# Altium PCB DAC5682.PcbDoc (part 2 of 3)
Units mil, origin at the board's own origin, x right, y up, seen from the top; angles counter-clockwise.
Board outline 2673.5 x 3399 mil, 4 copper layers (Top Layer, Layer 1, Layer 2, Bottom Layer), stack 23.756 mil thick; 202 components, 137 nets, 676 pads, 436 vias.
Unrouted connection lines stored in the file: 2.
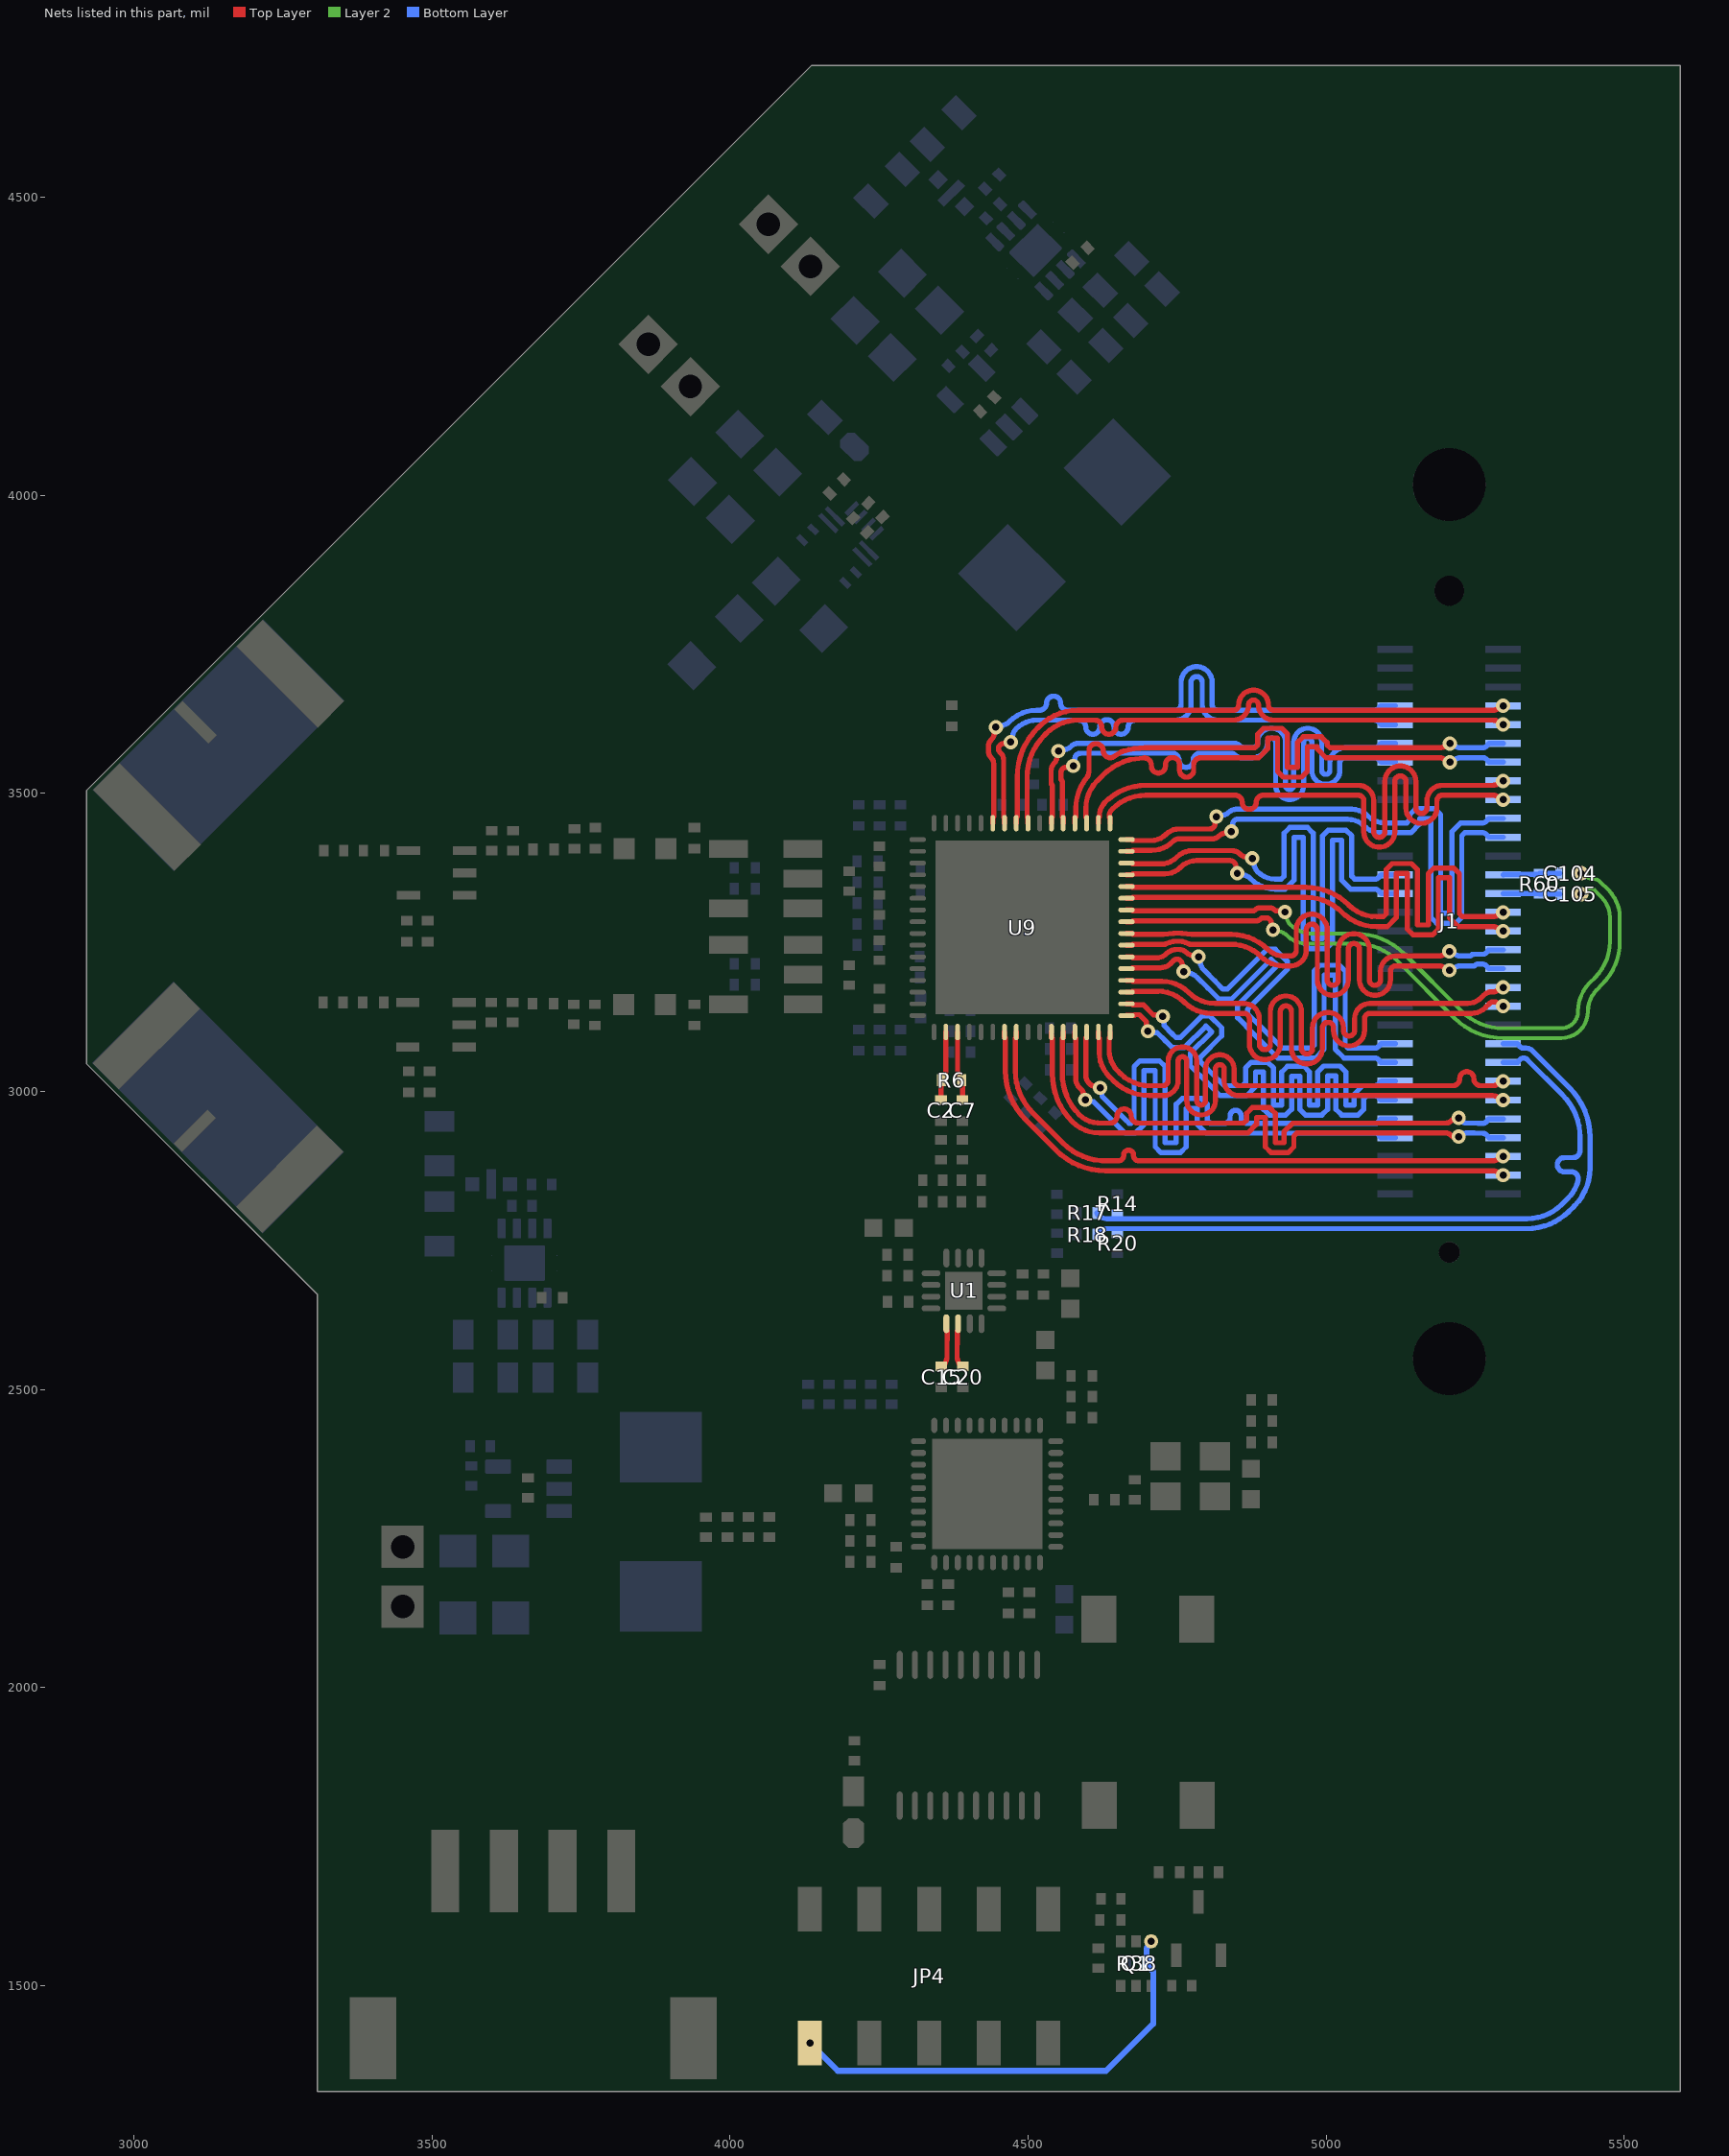
[diagram p4: the nets of this part, all layers, seen from the top]

## Via types
v1: diameter 24, hole 12, Top Layer to Bottom Layer, tented both sides, 436 vias

## Nets (pads, with @x,y where several pads share a name; then routed paths per layer and width w, separated by ;. In a path a pad name is that pad's centre, name@x,y a point inside that pad or via, vN(x,y) a via of type N, cw(c..) or ccw(c..) an arc to the next point about the centre after c; other vN are vias at no path point) (continued)
D0_N: J1.27 U9.43 | length 990.3
  Top Layer w8.65: U9.43@4440.86,3449.82 4440.86,3457.81 cw(c4443.45,3457.81) 4441.62,3459.64 ccw(c4439.79,3461.48) 4442.38,3461.48 4442.38,3549.33 ccw(c4427.49,3549.33) 4438.02,3559.86 cw(c4448.55,3570.39) 4433.66,3570.39 4433.66,3578.15 cw(c4450.63,3578.15) 4438.63,3590.16 4438.92,3590.45 ccw(c4427.63,3601.74) 4443.6,3601.74 4443.6,3604.97 cw(c4451.78,3604.97) v1(4446,3610.75)
  Bottom Layer w8.65: v1(4446,3610.75) cw(c4451.78,3604.97) 4451.78,3613.15 ccw(c4451.78,3636.9) 4468.58,3620.1 cw(c4514.91,3573.77) 4514.91,3639.3 4519.24,3639.3 ccw(c4519.24,3651.12) 4531.06,3651.12 cw(c4542.89,3651.12) 4554.71,3651.12 ccw(c4566.54,3651.12) 4566.54,3639.3 4710.92,3639.3 4747.5,3639.3 ccw(c4747.5,3648.62) 4756.83,3648.62 4756.83,3686.43 cw(c4782.8,3686.43) 4808.78,3686.43 4808.78,3648.62 ccw(c4818.1,3648.62) 4818.1,3639.3 4866.06,3639.3 5081.57,3639.3 ccw(c5081.57,3647.95) J1.27@5087.68,3641.82 ; J1.27@5087.69,3641.83 5090.22,3644.36 cw(c5091.86,3644.36) 5090.7,3645.53 cw(c5093.58,3642.64) 5093.58,3646.72 J1.27@5115.89,3646.72
D0_P: J1.26 U9.42 | length 992.4
  Top Layer w8.65: 4454.67,3566.76 4452.84,3568.59 cw(c4458.96,3574.7) 4450.31,3574.7 cw(c4458.96,3574.7) 4452.84,3580.82 cw(c4458.96,3574.7) 4458.96,3583.35 4465.21,3583.35 ccw(c4465.21,3591.54) v1(4471,3585.75) ; 4454.68,3566.75 cw(c4444.14,3556.23) 4459.03,3556.23 4459.03,3461.48 ccw(c4461.62,3461.48) 4459.79,3459.64 cw(c4457.96,3457.81) 4460.55,3457.81 U9.42@4460.55,3449.82
  Bottom Layer w8.65: v1(4471,3585.75) ccw(c4465.21,3591.54) 4473.39,3591.54 cw(c4497.14,3591.54) 4480.35,3608.33 cw(c4514.91,3573.77) 4514.91,3622.65 4585.05,3622.65 cw(c4585.05,3610.82) 4596.87,3610.82 ccw(c4608.7,3610.82) 4620.52,3610.82 4620.52,3611.32 cw(c4632.35,3611.32) 4644.17,3611.32 4644.17,3610.82 ccw(c4656,3610.82) 4667.82,3610.82 cw(c4679.65,3610.82) 4679.65,3622.65 4710.92,3622.65 4747.5,3622.65 ccw(c4747.5,3648.62) 4773.48,3648.62 4773.48,3686.43 cw(c4782.8,3686.43) 4792.13,3686.43 4792.13,3648.62 ccw(c4818.1,3648.62) 4818.1,3622.65 4866.06,3622.65 5081.57,3622.65 cw(c5081.57,3614) 5087.68,3620.12 5090.22,3617.58 ccw(c5091.86,3617.58) 5090.7,3616.42 ccw(c5093.58,3619.3) 5093.58,3615.22 J1.26@5115.89,3615.22
D1_N: J1.57 U9.41 | length 999
  Top Layer w8.65: U9.41@4480.23,3449.82 4480.23,3457.81 cw(c4482.82,3457.81) 4480.99,3459.64 ccw(c4479.16,3461.48) 4481.75,3461.48 4481.75,3526.73 cw(c4598.4,3526.73) 4515.91,3609.22 4519.22,3612.52 cw(c4583.86,3547.89) 4583.86,3639.3 4832,3639.3 4844.65,3639.3 ccw(c4844.65,3647.95) 4853.3,3647.95 cw(c4878.27,3647.95) 4903.25,3647.95 ccw(c4911.9,3647.95) 4911.9,3639.3 4962.55,3639.3 5280.17,3639.3 ccw(c5280.17,3651.97) 5289.13,3643.01 5289.91,3643.78 cw(c5297,3636.69) v1(5297,3646.72)
D1_P: J1.56 U9.40 | length 999.9
  Top Layer w8.65: U9.40@4499.92,3449.82 4499.92,3457.81 ccw(c4497.33,3457.81) 4499.16,3459.64 cw(c4500.99,3461.48) 4498.4,3461.48 4498.4,3526.73 cw(c4598.4,3526.73) 4527.69,3597.44 4531,3600.75 cw(c4583.86,3547.89) 4583.86,3622.65 4611.83,3622.65 cw(c4611.83,3610.82) 4623.66,3610.82 ccw(c4635.48,3610.82) 4647.31,3610.82 cw(c4659.13,3610.82) 4659.13,3622.65 4696,3622.65 4832,3622.65 4844.65,3622.65 ccw(c4844.65,3647.95) 4869.95,3647.95 cw(c4878.27,3647.95) 4886.6,3647.95 ccw(c4911.9,3647.95) 4911.9,3622.65 4962.55,3622.65 5280.17,3622.65 cw(c5280.17,3609.97) 5289.13,3618.94 5289.91,3618.16 ccw(c5297,3625.25) v1(5297,3615.22)
D2_N: J1.25 U9.38 | length 992
  Top Layer w8.65: U9.38@4539.29,3449.82 4539.29,3457.81 cw(c4541.88,3457.81) 4540.05,3459.64 ccw(c4538.21,3461.48) 4540.8,3461.48 4540.8,3512.13 ccw(c4537.14,3512.13) 4539.73,3514.72 cw(c4542.32,3517.31) 4538.66,3517.31 4538.66,3538.15 cw(c4555.63,3538.15) 4543.63,3550.16 4543.92,3550.45 ccw(c4532.63,3561.74) 4548.6,3561.74 4548.6,3564.97 cw(c4556.78,3564.97) v1(4551,3570.75)
  Bottom Layer w8.65: v1(4551,3570.75) cw(c4556.78,3564.97) 4556.78,3573.15 4559.14,3573.15 ccw(c4559.14,3591.21) 4571.91,3578.44 cw(c4584.68,3565.67) 4584.68,3583.73 4845.91,3583.73 cw(c4845.91,3571.06) 4854.87,3580.02 ccw(c4863.83,3588.97) 4863.83,3576.3 4876.48,3576.3 ccw(c4876.48,3584.95) 4885.13,3584.95 4885.13,3585.52 cw(c4908.61,3585.52) 4932.08,3585.52 4932.08,3513.13 ccw(c4938.91,3513.13) 4945.73,3513.13 4945.73,3585.52 cw(c4969.21,3585.52) 4992.68,3585.52 4992.68,3538.45 ccw(c4999.51,3538.45) 5006.33,3538.45 5006.33,3551 cw(c5031.63,3551) 5031.63,3576.3 5071.98,3576.3 5081.57,3576.3 ccw(c5081.57,3584.95) 5087.68,3578.83 5090.22,3581.37 cw(c5091.86,3581.37) 5090.7,3582.53 cw(c5093.58,3579.65) 5093.58,3583.73 J1.25@5115.89,3583.73
D2_P: J1.24 U9.37 | length 980.1
  Top Layer w8.65: U9.37@4558.97,3449.82 4558.97,3457.81 ccw(c4556.38,3457.81) 4558.21,3459.64 cw(c4560.04,3461.48) 4557.45,3461.48 4557.45,3519.02 ccw(c4553.79,3519.02) 4556.38,3521.62 cw(c4558.97,3524.21) 4555.31,3524.21 4555.31,3534.7 cw(c4563.96,3534.7) 4557.84,3540.82 cw(c4563.96,3534.7) 4563.96,3543.35
  Bottom Layer w8.65: v1(4576,3545.75) ccw(c4570.21,3551.54) 4578.39,3551.54 4578.39,3557.34 cw(c4588.13,3557.34) 4581.24,3564.23 cw(c4588.13,3557.34) 4588.13,3567.08 4713.57,3567.08 4741.55,3567.08 cw(c4741.55,3555.25) 4753.37,3555.25 ccw(c4765.2,3555.25) 4777.02,3555.25 cw(c4788.85,3555.25) 4788.85,3567.08 4816,3567.08 4839.02,3567.08 cw(c4839.02,3554.41) 4847.97,3563.37 ccw(c4856.93,3572.32) 4856.93,3559.65 4863.83,3559.65 4876.48,3559.65 ccw(c4876.48,3584.95) 4901.78,3584.95 4901.78,3585.52 cw(c4908.61,3585.52) 4915.43,3585.52 4915.43,3513.13 ccw(c4938.91,3513.13) 4962.38,3513.13 4962.38,3585.52 cw(c4969.21,3585.52) 4976.03,3585.52 4976.03,3538.45 ccw(c4999.51,3538.45) 5022.98,3538.45 5022.98,3551 cw(c5031.63,3551) 5031.63,3559.65 5071.98,3559.65 5081.57,3559.65 cw(c5081.57,3551) J1.24@5087.68,3557.13 ; J1.24@5087.69,3557.12 5090.22,3554.59 ccw(c5091.86,3554.59) J1.24@5090.7,3553.42 ; J1.24@5090.7,3553.43 ccw(c5093.58,3556.31) 5093.58,3552.23 J1.24@5115.89,3552.23
D3_N: J1.55 U9.36 | length 991.8
  Top Layer w8.65: U9.36@4578.66,3449.82 4578.66,3457.81 cw(c4581.25,3457.81) 4579.42,3459.64 ccw(c4577.58,3461.48) 4580.17,3461.48 4580.17,3474.46 cw(c4662.28,3474.46) 4592.11,3517.1 cw(c4662.28,3474.46) 4596.43,3523.51 4597.44,3524.68 ccw(c4582.16,3537.87) 4602.35,3537.87 4602.35,3571.42 cw(c4614.17,3571.42) 4626,3571.42 ccw(c4637.82,3571.42) 4644.19,3561.45 4655.99,3568.99 cw(c4696.13,3459.46) 4660.31,3570.48 cw(c4696.13,3459.46) 4696.13,3576.11 4871,3576.11 4880.2,3576.11 4885.27,3581.18 4885.27,3599.24 4895.02,3609 4925.46,3609 4935.22,3599.24 4935.22,3543.61 4951.87,3543.61 4951.87,3585.06 4961.62,3594.81 4992.06,3594.81 5001.82,3585.06 5001.82,3581.18 5006.88,3576.11 5086,3576.11 5190.85,3576.11 ccw(c5190.85,3588.79) 5199.81,3579.83 5200.59,3580.6 cw(c5207.68,3573.51) v1(5207.68,3583.54)
  Bottom Layer w8.65: v1(5207.68,3583.54) cw(c5207.68,3573.51) 5214.77,3580.6 ccw(c5225.6,3591.43) 5225.6,3576.11 5252,3576.11 5252.19,3576.3 5262.67,3576.3 ccw(c5262.67,3584.95) 5268.78,3578.83 5271.32,3581.37 cw(c5272.97,3581.37) 5271.8,3582.53 cw(c5274.68,3579.65) 5274.68,3583.73 J1.55@5297,3583.73
D3_P: J1.54 U9.35 | length 991.9
  Top Layer w8.65: U9.35@4598.34,3449.82 4598.34,3457.81 ccw(c4595.75,3457.81) 4597.58,3459.64 cw(c4599.41,3461.48) 4596.82,3461.48 4596.82,3474.46 cw(c4662.28,3474.46) 4616,3520.75 4625.42,3530.17 cw(c4696.13,3459.46) 4668.5,3555.57 cw(c4696.13,3459.46) 4672.83,3556.71 4693.66,3559.17 cw(c4695.05,3547.43) 4706.87,3547.43 4706.87,3545.72 ccw(c4718.7,3545.72) 4730.52,3545.72 4730.52,3548.14 cw(c4742.35,3548.14) 4754.17,3548.14 4754.17,3538.79 ccw(c4766,3538.79) 4777.82,3538.79 4777.82,3547.64 cw(c4789.65,3547.64) 4789.65,3559.46 4793.97,3559.46 4871,3559.46 4887.1,3559.46 4901.92,3574.28 4901.92,3592.35 4918.57,3592.35 4918.57,3536.72 4928.32,3526.96 4958.76,3526.96 4968.52,3536.72 4968.52,3578.16 4985.17,3578.16 4985.17,3574.28 4999.99,3559.46 5086,3559.46 5190.85,3559.46 cw(c5190.85,3546.79) 5199.81,3555.75 5200.59,3554.98 ccw(c5207.68,3562.07) v1(5207.68,3552.04)
  Bottom Layer w8.65: v1(5207.68,3552.04) ccw(c5207.68,3562.07) 5214.77,3554.98 cw(c5225.6,3544.15) 5225.6,3559.46 5258.9,3559.46 5259.09,3559.65 5262.67,3559.65 cw(c5262.67,3551) J1.54@5268.78,3557.13 ; J1.54@5268.79,3557.12 5271.32,3554.59 ccw(c5272.97,3554.59) J1.54@5271.8,3553.42 ; J1.54@5271.8,3553.43 ccw(c5274.68,3556.31) 5274.68,3552.23 J1.54@5297,3552.23
D4_N: J1.53 U9.34 | length 988.8
  Top Layer w8.65: U9.34@4618.03,3449.82 4618.03,3457.81 cw(c4620.62,3457.81) 4618.79,3459.64 ccw(c4616.95,3461.48) 4619.54,3461.48 cw(c4652.78,3461.48) 4629.28,3484.98 cw(c4697.69,3416.56) 4697.69,3513.31 5006,3513.31 5053.95,3513.31 cw(c5053.95,3487.34) 5079.92,3487.34 5079.92,3435.4 ccw(c5089.25,3435.4) 5098.57,3435.4 5098.57,3519.84 cw(c5124.55,3519.84) 5150.52,3519.84 5150.52,3475.47 ccw(c5159.85,3475.47) 5169.17,3475.47 5169.17,3487.34 cw(c5195.15,3487.34) 5195.15,3513.31 5241,3513.31 5280.17,3513.31 ccw(c5280.17,3525.98) 5289.13,3517.02 5289.91,3517.8 cw(c5297,3510.71) v1(5297,3520.74)
D4_P: J1.52 U9.33 | length 989.6
  Top Layer w8.65: U9.33@4637.71,3449.82 4637.71,3457.81 ccw(c4635.12,3457.81) 4636.95,3459.64 cw(c4638.78,3461.48) 4636.19,3461.48 cw(c4652.78,3461.48) 4641.05,3473.2 cw(c4697.69,3416.56) 4697.69,3496.66 4819.37,3496.66 4847.35,3496.66 cw(c4847.35,3484.84) 4859.17,3484.84 ccw(c4871,3484.84) 4882.82,3484.84 cw(c4894.65,3484.84) 4894.65,3496.66 4932.68,3496.66 5006,3496.66 5053.95,3496.66 cw(c5053.95,3487.34) 5063.27,3487.34 5063.27,3435.4 ccw(c5089.25,3435.4) 5115.22,3435.4 5115.22,3519.84 cw(c5124.55,3519.84) 5133.87,3519.84 5133.87,3475.47 ccw(c5159.85,3475.47) 5185.82,3475.47 5185.82,3487.34 cw(c5195.15,3487.34) 5195.15,3496.66 5241,3496.66 5280.17,3496.66 cw(c5280.17,3483.99) 5289.13,3492.95 5289.91,3492.18 ccw(c5297,3499.27) v1(5297,3489.24)
D5_N: J1.51 U9.32 | length 992.3
  Top Layer w8.65: U9.32@4665.27,3422.26 4673.26,3422.26 cw(c4673.26,3419.67) 4675.1,3421.5 ccw(c4676.93,3423.33) 4676.93,3420.74 4706.83,3420.74 ccw(c4706.83,3454.91) 4731,3430.75 cw(c4753.47,3408.28) 4753.47,3440.06 4804.95,3440.06 ccw(c4804.95,3448.71) 4811.07,3442.59 ccw(c4804.95,3448.71) 4813.6,3448.71 4813.6,3454.97 cw(c4821.78,3454.97) v1(4816,3460.75)
  Bottom Layer w8.65: v1(4816,3460.75) cw(c4821.78,3454.97) 4821.78,3463.15 4824.59,3463.15 ccw(c4824.59,3480.12) 4836.59,3468.12 cw(c4848.6,3456.12) 4848.6,3473.09 5042.98,3473.09 cw(c5042.98,3434.22) 5070.46,3461.71 ccw(c5097.95,3489.19) 5097.95,3450.32 5126,3450.32 5135.2,3450.32 5140.27,3455.39 5140.27,3464.16 5150.02,3473.91 5182.46,3473.91 5192.22,3464.16 5192.22,3298.59 5210.87,3298.59 5210.87,3435.5 5225.69,3450.32 5262.67,3450.32 ccw(c5262.67,3458.97) 5268.78,3452.85 5271.32,3455.39 cw(c5272.97,3455.39) 5271.8,3456.55 cw(c5274.68,3453.67) 5274.68,3457.74 J1.51@5297,3457.74
D5_P: J1.50 U9.31 | length 992.4
  Top Layer w8.65: U9.31@4665.27,3402.57 4673.26,3402.57 ccw(c4673.26,3405.17) 4675.1,3403.33 cw(c4676.93,3401.5) 4676.93,3404.09 4706.83,3404.09 ccw(c4706.83,3454.91) 4742.77,3418.98 cw(c4753.47,3408.28) 4753.47,3423.41 4808.4,3423.41 ccw(c4808.4,3440.39) 4820.4,3428.38 4820.7,3428.68 cw(c4831.99,3417.39) 4831.99,3433.35 4835.21,3433.35 ccw(c4835.21,3441.54) v1(4841,3435.75)
  Bottom Layer w8.65: v1(4841,3435.75) ccw(c4835.21,3441.54) 4843.39,3441.54 4843.39,3447.79 cw(c4852.04,3447.79) 4845.93,3453.91 cw(c4852.04,3447.79) 4852.04,3456.44 5036.08,3456.44 cw(c5036.08,3417.57) 5063.57,3445.06 ccw(c5091.05,3472.54) 5091.05,3433.67 5126,3433.67 5142.1,3433.67 5156.92,3448.49 5156.92,3457.26 5175.57,3457.26 5175.57,3291.69 5185.32,3281.94 5217.76,3281.94 5227.52,3291.69 5227.52,3428.6 5232.58,3433.67 5262.67,3433.67 cw(c5262.67,3425.02) 5268.78,3431.14 5271.32,3428.6 ccw(c5272.97,3428.6) 5271.8,3427.44 ccw(c5274.68,3430.32) 5274.68,3426.25 J1.50@5297,3426.25
D6_N: J1.18 U9.30 | length 991.8
  Top Layer w8.65: U9.30@4665.27,3382.89 4673.26,3382.89 cw(c4673.26,3380.3) 4675.1,3382.13 ccw(c4676.93,3383.96) 4676.93,3381.37 4722.22,3381.37 ccw(c4722.22,3419.53) 4749.21,3392.55 cw(c4776.19,3365.57) 4776.19,3403.73 4842.31,3403.73 cw(c4842.31,3385.67) 4855.08,3398.44 4855.7,3397.82 ccw(c4866.99,3409.11) 4866.99,3393.15 4870.21,3393.15 cw(c4870.21,3384.97) v1(4876,3390.75)
  Bottom Layer w8.65: v1(4876,3390.75) cw(c4870.21,3384.97) 4878.39,3384.97 ccw(c4902.14,3384.97) 4885.35,3368.17 ccw(c4915.14,3397.96) 4915.14,3355.83 4924.34,3355.83 4929.41,3360.9 4929.41,3433.04 4939.16,3442.79 4968.61,3442.79 4978.36,3433.04 4978.36,3256.07 4994.01,3256.07 4994.01,3428.43 5003.76,3438.18 5033.21,3438.18 5042.96,3428.43 5042.96,3360.9 5048.03,3355.83 5079.66,3355.83 5081.57,3355.83 ccw(c5081.57,3364.48) 5087.68,3358.36 5090.22,3360.9 cw(c5091.86,3360.9) 5090.7,3362.06 cw(c5093.58,3359.18) 5093.58,3363.26 J1.18@5115.89,3363.26
D6_P: J1.17 U9.29 | length 991.7
  Top Layer w8.65: U9.29@4665.27,3363.2 4673.26,3363.2 ccw(c4673.26,3365.8) 4675.1,3363.96 cw(c4676.93,3362.13) 4676.93,3364.72 4729.12,3364.72 ccw(c4729.12,3402.88) 4756.1,3375.9 cw(c4783.09,3348.92) 4783.09,3387.08 4838.87,3387.08 cw(c4838.87,3377.34) 4845.75,3384.23 cw(c4838.87,3377.34) 4848.6,3377.34 4848.6,3371.54 ccw(c4856.78,3371.54) v1(4851,3365.75)
  Bottom Layer w8.65: v1(4851,3365.75) ccw(c4856.78,3371.54) 4856.78,3363.35 cw(c4856.78,3339.61) 4873.58,3356.4 ccw(c4915.14,3397.96) 4915.14,3339.18 4931.24,3339.18 4946.06,3354 4946.06,3426.14 4961.71,3426.14 4961.71,3249.18 4971.46,3239.42 5000.91,3239.42 5010.66,3249.18 5010.66,3421.53 5026.31,3421.53 5026.31,3354 5041.13,3339.18 5079.66,3339.18 5081.57,3339.18 cw(c5081.57,3330.53) 5087.68,3336.65 5090.22,3334.11 ccw(c5091.86,3334.11) 5090.7,3332.95 ccw(c5093.58,3335.83) 5093.58,3331.76 J1.17@5115.89,3331.76
D7_N: J1.46 U9.28 | length 988.2
  Top Layer w8.65: U9.28@4665.27,3343.52 4673.26,3343.52 cw(c4673.26,3340.93) 4675.1,3342.76 ccw(c4676.93,3344.59) 4676.93,3342 4966.6,3342 cw(c4966.6,3241.36) 5037.77,3312.52 ccw(c5085.29,3360.05) 5085.29,3292.84 5086.73,3292.84 5095.94,3292.84 5101,3297.91 5101,3372.21 5110.76,3381.97 5143.2,3381.97 5152.95,3372.21 5152.95,3278.96 5171.6,3278.96 5171.6,3364.91 5181.36,3374.66 5213.8,3374.66 5223.55,3364.91 5223.55,3297.91 5228.62,3292.84 5275.9,3292.84 5280.17,3292.84 ccw(c5280.17,3305.51) v1@5289.12,3296.54 ; v1@5289.13,3296.55 5289.91,3297.33 cw(c5297,3290.24) v1(5297,3300.26)
D7_P: J1.45 U9.27 | length 988.2
  Top Layer w8.65: U9.27@4665.27,3323.83 4673.26,3323.83 ccw(c4673.26,3326.43) 4675.1,3324.59 cw(c4676.93,3322.76) 4676.93,3325.35 4966.6,3325.35 cw(c4966.6,3241.36) 5026,3300.75 ccw(c5085.29,3360.05) 5085.29,3276.19 5086.73,3276.19 5102.83,3276.19 5117.65,3291.01 5117.65,3365.32 5136.3,3365.32 5136.3,3272.06 5146.06,3262.31 5178.5,3262.31 5188.25,3272.06 5188.25,3358.01 5206.9,3358.01 5206.9,3291.01 5221.72,3276.19 5275.9,3276.19 5280.17,3276.19 cw(c5280.17,3263.52) 5289.13,3272.48 5289.91,3271.7 ccw(c5297,3278.79) v1(5297,3268.77)
D8_N: J1.44 U9.24 | length 986.2
  Top Layer w8.65: U9.24@4665.27,3264.78 4673.26,3264.78 cw(c4673.26,3262.19) 4675.1,3264.02 ccw(c4676.93,3265.85) 4676.93,3263.26 4725.87,3263.26 ccw(c4725.87,3271.91) 4726.76,3263.31 4744.19,3265.12 cw(c4749.51,3213.85) 4749.51,3265.39 4753.4,3265.39 cw(c4753.4,3221.12) 4758.26,3265.12 4774.64,3263.31 ccw(c4775.57,3271.91) 4775.57,3263.26 4840.63,3263.26 cw(c4840.63,3175.39) 4902.77,3237.52 ccw(c4928.06,3262.81) 4928.06,3227.05 4940.71,3227.05 ccw(c4940.71,3236.38) 4950.03,3236.38 4950.03,3271.08 cw(c4976.01,3271.08) 5001.98,3271.08 5001.98,3187.03 ccw(c5011.31,3187.03) 5020.63,3187.03 5020.63,3238.51 cw(c5046.61,3238.51) 5072.58,3238.51 5072.58,3187.03 ccw(c5081.91,3187.03) 5091.23,3187.03 5091.23,3201.08 cw(c5117.21,3201.08) 5117.21,3227.05 5190.09,3227.05 ccw(c5190.09,3239.72) 5199.05,3230.76 5199.82,3231.54 cw(c5206.91,3224.45) v1(5206.91,3234.47)
  Bottom Layer w8.65: v1(5206.91,3234.47) cw(c5206.91,3224.45) 5214.01,3231.54 ccw(c5224.84,3242.37) 5224.84,3227.05 5240.25,3227.05 ccw(c5240.25,3231.83) 5243.63,3228.45 cw(c5247.01,3225.07) 5247.01,3229.85 5262.67,3229.85 ccw(c5262.67,3238.5) 5268.78,3232.38 5271.32,3234.91 cw(c5272.97,3234.91) 5271.8,3236.08 cw(c5274.68,3233.2) 5274.68,3237.27 J1.44@5297,3237.27
D8_P: J1.43 U9.23 | length 987.7
  Top Layer w8.65: U9.23@4665.27,3245.09 4673.26,3245.09 ccw(c4673.26,3247.68) 4675.1,3245.85 cw(c4676.93,3244.02) 4676.93,3246.61 4728.27,3246.61 ccw(c4728.27,3255.26) 4732.21,3247.56 cw(c4749.51,3213.85) 4749.51,3251.74 4753.4,3251.74 cw(c4753.4,3221.12) 4768.55,3247.73 ccw(c4772.8,3255.26) 4772.8,3246.61 4840.63,3246.61 cw(c4840.63,3175.39) 4891,3225.75 ccw(c4928.06,3262.81) 4928.06,3210.4 4940.71,3210.4 ccw(c4940.71,3236.38) 4966.68,3236.38 4966.68,3271.08 cw(c4976.01,3271.08) 4985.33,3271.08 4985.33,3187.03 ccw(c5011.31,3187.03) 5037.28,3187.03 5037.28,3238.51 cw(c5046.61,3238.51) 5055.93,3238.51 5055.93,3187.03 ccw(c5081.91,3187.03) 5107.88,3187.03 5107.88,3201.08 cw(c5117.21,3201.08) 5117.21,3210.4 5190.09,3210.4 cw(c5190.09,3197.73) 5199.05,3206.69 5199.82,3205.91 ccw(c5206.91,3213.01) v1(5206.91,3202.98)
  Bottom Layer w8.65: v1(5206.91,3202.98) ccw(c5206.91,3213.01) 5214.01,3205.91 cw(c5224.84,3195.08) 5224.84,3210.4 5247.15,3210.4 ccw(c5247.15,3215.18) 5250.53,3211.8 cw(c5253.9,3208.42) 5253.9,3213.2 5262.67,3213.2 cw(c5262.67,3204.55) 5268.78,3210.67 5271.32,3208.13 ccw(c5272.97,3208.13) 5271.8,3206.97 ccw(c5274.68,3209.85) 5274.68,3205.77 J1.43@5297,3205.77
D9_N: J1.9 U9.22 | length 993
  Top Layer w8.65: U9.22@4665.27,3225.41 4673.26,3225.41 cw(c4673.26,3222.82) 4675.1,3224.65 ccw(c4676.93,3226.48) 4676.93,3223.89 4715.23,3223.89 ccw(c4715.23,3248.13) 4732.37,3230.99 cw(c4749.51,3213.85) 4749.51,3238.09 4753.4,3238.09 cw(c4753.4,3221.12) 4765.4,3233.12 4765.7,3232.82 ccw(c4776.99,3244.11) 4776.99,3228.15 4780.21,3228.15 cw(c4780.21,3219.97) v1(4786,3225.75)
  Bottom Layer w8.65: v1(4786,3225.75) cw(c4780.21,3219.97) 4788.39,3219.97 ccw(c4812.14,3219.97) 4795.35,3203.17 4813.27,3185.25 4827.15,3171.37 4834.32,3171.37 4901.11,3238.16 4914.9,3238.16 4935.01,3218.04 4935.01,3204.25 4868.22,3137.46 4868.22,3130.3 4890.36,3108.16 4891.99,3106.53 4896.86,3101.66 4920.65,3077.87 4926.15,3072.37 4974.98,3072.37 4980.05,3077.43 4980.05,3201.76 4989.8,3211.51 5022.25,3211.51 5032,3201.76 5032,3077.43 5037.07,3072.37 5081.57,3072.37 ccw(c5081.57,3081.02) 5087.68,3074.9 5090.22,3077.43 cw(c5091.86,3077.43) 5090.7,3078.6 cw(c5093.58,3075.72) 5093.58,3079.79 J1.9@5115.89,3079.79
D9_P: J1.8 U9.21 | length 994.4
  Top Layer w8.65: U9.21@4665.27,3205.72 4673.26,3205.72 ccw(c4673.26,3208.32) 4675.1,3206.48 cw(c4676.93,3204.65) 4676.93,3207.24 4722.13,3207.24 ccw(c4722.13,3231.48) 4739.27,3214.34 4743.83,3218.91 cw(c4749.95,3212.79) 4749.95,3221.44 cw(c4749.95,3212.79) 4756.07,3218.91 cw(c4749.95,3212.79) 4758.6,3212.79 4758.6,3206.54 ccw(c4766.78,3206.54) v1(4761,3200.75)
  Bottom Layer w8.65: v1(4761,3200.75) ccw(c4766.78,3206.54) 4766.78,3198.35 cw(c4766.78,3174.61) 4783.58,3191.4 4801.49,3173.48 4820.26,3154.72 4841.22,3154.72 4908,3221.51 4918.36,3211.15 4851.58,3144.36 4851.58,3123.4 4878.58,3096.39 4885.09,3089.88 4919.26,3055.72 4920.65,3055.72 4981.88,3055.72 4996.7,3070.54 4996.7,3194.86 5015.35,3194.86 5015.35,3070.54 5030.17,3055.72 5081.57,3055.72 cw(c5081.57,3047.07) 5087.68,3053.19 5090.22,3050.65 ccw(c5091.86,3050.65) 5090.7,3049.49 ccw(c5093.58,3052.37) 5093.58,3048.29 J1.8@5115.89,3048.29
D10_N: J1.42 U9.20 | length 988.2
  Top Layer w8.65: U9.20@4665.27,3186.04 4673.26,3186.04 cw(c4673.26,3183.45) 4675.1,3185.28 ccw(c4676.93,3187.11) 4676.93,3184.52 4724.4,3184.52 cw(c4724.4,3121.15) 4769.21,3165.96 ccw(c4814.01,3210.77) 4814.01,3147.4 4861.96,3147.4 cw(c4861.96,3121.43) 4887.94,3121.43 4887.94,3079.1 ccw(c4897.26,3079.1) 4906.59,3079.1 4906.59,3133.96 cw(c4932.56,3133.96) 4958.54,3133.96 4958.54,3071.9 ccw(c4967.86,3071.9) 4977.19,3071.9 4977.19,3106.43 cw(c5003.16,3106.43) 5029.14,3106.43 5029.14,3102.14 ccw(c5038.46,3102.14) 5047.79,3102.14 5047.79,3121.43 cw(c5073.76,3121.43) 5073.76,3147.4 5186.64,3147.4 5236.98,3147.4 ccw(c5236.98,3180.61) 5260.46,3157.13 5264.81,3161.47 cw(c5277.81,3148.47) 5277.81,3166.86 5280.17,3166.86 ccw(c5280.17,3179.53) 5289.13,3170.57 5289.91,3171.34 cw(c5297,3164.25) v1(5297,3174.28)
D10_P: J1.41 U9.19 | length 988.7
  Top Layer w8.65: U9.19@4665.27,3166.35 4673.26,3166.35 ccw(c4673.26,3168.95) 4675.1,3167.11 cw(c4676.93,3165.28) 4676.93,3167.87 4717.5,3167.87 cw(c4717.5,3104.5) 4762.31,3149.31 ccw(c4807.12,3194.12) 4807.12,3130.75 4814.01,3130.75 4861.96,3130.75 cw(c4861.96,3121.43) 4871.29,3121.43 4871.29,3079.1 ccw(c4897.26,3079.1) 4923.24,3079.1 4923.24,3133.96 cw(c4932.56,3133.96) 4941.89,3133.96 4941.89,3071.9 ccw(c4967.86,3071.9) 4993.84,3071.9 4993.84,3106.43 cw(c5003.16,3106.43) 5012.49,3106.43 5012.49,3102.14 ccw(c5038.46,3102.14) 5064.44,3102.14 5064.44,3121.43 cw(c5073.76,3121.43) 5073.76,3130.75 5186.64,3130.75 5243.88,3130.75 ccw(c5243.88,3163.96) 5267.36,3140.48 5274.14,3147.26 cw(c5281.25,3140.15) 5281.25,3150.21 cw(c5281.25,3140.15) 5288.37,3147.26 5289.91,3145.72 ccw(c5297,3152.81) v1(5297,3142.78)
D11_N: J1.7 U9.18 | length 988.5
  Top Layer w8.65: U9.18@4665.27,3146.67 4674.34,3146.67 4675.85,3145.15 4693.37,3145.15 4710.37,3128.15 4723.6,3128.15 v1(4726,3125.75)
  Bottom Layer w8.65: v1(4726,3125.75) 4728.39,3123.35 4728.39,3110.13 4741.88,3096.64 4748.39,3090.13 4755.56,3090.13 4791.64,3126.21 4805.43,3126.21 4824.84,3106.81 4824.84,3093.02 4788.75,3056.93 4788.75,3049.77 4814.33,3024.19 4820.84,3017.68 4829.15,3009.38 4855.17,3009.38 ; 4859.77,3009.38 4864.84,3014.44 4864.84,3039.01 4874.59,3048.76 4902.03,3048.76 4911.79,3039.01 4911.79,2976.68 4925.44,2976.68 4925.44,3032.31 4935.19,3042.07 4962.63,3042.07 4972.39,3032.31 4972.39,2976.68 4986.04,2976.68 4986.04,3032.78 4995.79,3042.53 5023.23,3042.53 5032.99,3032.78 5032.99,2976.68 5046.64,2976.68 5046.64,2994.56 5061.46,3009.38 5081.57,3009.38 ccw(c5081.57,3018.03) 5087.68,3011.9 5090.22,3014.44 cw(c5091.86,3014.44) 5090.7,3015.6 cw(c5093.58,3012.72) 5093.58,3016.8 J1.7@5115.89,3016.8
D11_P: J1.6 U9.17 | length 990.8
  Top Layer w8.65: U9.17@4665.27,3126.98 4665.66,3127.37 4678.18,3127.37 4679.31,3128.5 4686.47,3128.5 4698.6,3116.37 4698.6,3103.15 v1(4701,3100.75)
  Bottom Layer w8.65: v1(4701,3100.75) 4703.39,3098.35 4716.62,3098.35 4730.11,3084.86 4736.62,3078.36 4741.49,3073.48 4762.45,3073.48 4798.54,3109.56 4808.19,3099.91 4772.1,3063.83 4772.1,3042.87 4802.56,3012.41 4809.07,3005.91 4822.25,2992.73 4848.27,2992.73 ; 4850.57,2992.73 4866.67,2992.73 4881.49,3007.55 4881.49,3032.11 4895.14,3032.11 4895.14,2969.79 4904.89,2960.03 4932.33,2960.03 4942.09,2969.79 4942.09,3025.42 4955.74,3025.42 4955.74,2969.79 4965.49,2960.03 4992.93,2960.03 5002.69,2969.79 5002.69,3025.88 5016.34,3025.88 5016.34,2969.79 5026.09,2960.03 5053.53,2960.03 5063.29,2969.79 5063.29,2987.66 5068.35,2992.73 5081.57,2992.73 cw(c5081.57,2984.08) 5087.68,2990.2 5090.22,2987.66 ccw(c5091.86,2987.66) 5090.7,2986.5 ccw(c5093.58,2989.38) 5093.58,2985.3 J1.6@5115.89,2985.3
D12_N: J1.37 U9.16 | length 996.6
  Top Layer w8.65: U9.16@4637.71,3099.43 4637.71,3091.43 cw(c4635.12,3091.43) 4636.95,3089.6 ccw(c4638.78,3087.77) 4636.19,3087.77 4636.19,3068.61 ccw(c4685.05,3068.61) 4650.5,3034.06 4654.9,3029.66 ccw(c4703.87,3078.63) 4703.87,3009.38 4713.75,3009.38 4726.4,3009.38 ccw(c4726.4,3018.03) 4735.05,3018.03 4735.05,3050.6 cw(c4759.02,3050.6) 4783,3050.6 4783,2984.32 ccw(c4790.32,2984.32) 4797.65,2984.32 4797.65,3037.42 cw(c4821.62,3037.42) 4845.6,3037.42 4845.6,3018.03 ccw(c4854.25,3018.03) 4854.25,3009.38 4906.96,3009.38 5169.98,3009.38 5212.35,3009.38 ccw(c5212.35,3021.2) 5224.17,3021.2 cw(c5236,3021.2) 5247.82,3021.2 ccw(c5259.65,3021.2) 5259.65,3009.38 5279.08,3009.38 5283.3,3009.97 ccw(c5279.08,3024.69) 5287.62,3011.98 ccw(c5279.08,3024.69) 5289.91,3013.86 cw(c5297,3006.77) v1(5297,3016.8)
D12_P: J1.36 U9.15 | length 996.2
  Top Layer w8.65: U9.15@4618.03,3099.43 4618.03,3091.43 ccw(c4620.62,3091.43) 4618.79,3089.6 cw(c4616.95,3087.77) 4619.54,3087.77 4619.54,3065.16 ccw(c4676.72,3065.16) 4636.29,3024.73 4643.13,3017.89 ccw(c4703.87,3078.63) 4703.87,2992.73 4713.75,2992.73 4726.4,2992.73 ccw(c4726.4,3018.03) 4751.7,3018.03 4751.7,3050.6 cw(c4759.02,3050.6) 4766.35,3050.6 4766.35,2984.32 ccw(c4790.32,2984.32) 4814.3,2984.32 4814.3,3037.42 cw(c4821.62,3037.42) 4828.95,3037.42 4828.95,3018.03 ccw(c4854.25,3018.03) 4854.25,2992.73 4906.96,2992.73 5279.08,2992.73 cw(c5279.08,2977.41) 5289.91,2988.24 ccw(c5297,2995.33) v1(5297,2985.3)
D13_N: J1.5 U9.14 | length 994.8
  Top Layer w8.65: U9.14@4598.34,3099.43 4598.34,3091.43 cw(c4595.75,3091.43) 4597.58,3089.6 ccw(c4599.41,3087.77) 4596.82,3087.77 4596.82,3026.63 ccw(c4614.76,3026.63) 4602.08,3013.94 4603.54,3012.48 ccw(c4612.7,3021.64) 4612.7,3008.69 4613.91,3008.69 cw(c4613.91,2998.66) v1(4621,3005.75)
  Bottom Layer w8.65: v1(4621,3005.75) 4623.93,3002.81 4623.93,2992.09 4663.75,2952.27 4669.64,2946.38 4672.95,2946.38 4678.02,2951.45 4678.02,3041.41 4687.77,3051.16 4720.22,3051.16 4729.97,3041.41 4729.97,2913.69 4748.62,2913.69 4748.62,2978.31 4758.37,2988.06 4790.82,2988.06 4800.57,2978.31 4800.57,2951.45 4805.64,2946.38 4825.29,2946.38 4829.62,2946.38 ccw(c4829.62,2955.71) 4838.95,2955.71 4838.95,2958.77 cw(c4848.27,2958.77) 4857.6,2958.77 4857.6,2955.71 ccw(c4866.92,2955.71) 4866.92,2946.38 4891,2946.38 5085.15,2946.38 5090.22,2951.45 5090.22,2952.13 5091.89,2953.81 J1.5@5115.89,2953.81
D13_P: J1.4 U9.13 | length 994.8
  Top Layer w8.65: U9.13@4578.66,3099.43 4578.66,3091.43 ccw(c4581.25,3091.43) 4579.42,3089.6 cw(c4577.58,3087.77) 4580.17,3087.77 4580.17,3021.41 ccw(c4602.17,3021.41) 4586.62,3005.86 4589.27,3003.21 cw(c4580.11,2994.05) 4593.06,2994.05 4593.06,2992.84 ccw(c4603.09,2992.84) v1(4596,2985.75)
  Bottom Layer w8.65: v1(4596,2985.75) 4598.93,2982.81 4609.66,2982.81 4662.74,2929.73 4663.75,2929.73 4679.85,2929.73 4694.67,2944.55 4694.67,3034.51 4713.32,3034.51 4713.32,2906.79 4723.07,2897.04 4755.52,2897.04 4765.27,2906.79 4765.27,2971.41 4783.92,2971.41 4783.92,2944.55 4798.74,2929.73 4825.29,2929.73 5085.15,2929.73 5090.22,2924.67 5090.22,2923.99 5091.89,2922.31 J1.4@5115.89,2922.31
D14_N: J1.35 U9.12 | length 991
  Top Layer w8.65: U9.12@4558.97,3099.43 4558.97,3091.43 cw(c4556.38,3091.43) 4558.21,3089.6 ccw(c4560.04,3087.77) 4557.45,3087.77 4557.45,3029.66 ccw(c4654.9,3029.66) 4586,2960.75 ccw(c4619.94,2994.69) 4616.76,2946.8 ccw(c4619.94,2994.69) 4619.94,2946.69 4637.55,2946.69 ccw(c4637.55,2958.52) 4649.37,2958.52 cw(c4661.2,2958.52) 4673.02,2958.52 ccw(c4684.85,2958.52) 4684.85,2946.69 4727.36,2946.69 4861.66,2946.69 4866.73,2951.76 4866.73,2963.18 4876.48,2972.94 4904.92,2972.94 4914.68,2963.18 4914.68,2913.69 4929.33,2913.69 4929.33,2931.87 4944.15,2946.69 4960.25,2946.69 5200.62,2946.69 ccw(c5200.62,2959.36) 5209.58,2950.4 5210.36,2951.18 cw(c5217.45,2944.09) v1@5217.45,2954.12
  Bottom Layer w8.65: v1@5217.45,2954.12 cw(c5217.45,2944.09) 5224.54,2951.18 ccw(c5235.37,2962.01) 5235.37,2946.69 5254.92,2946.69 5255.23,2946.38 5262.67,2946.38 ccw(c5262.67,2955.03) 5268.78,2948.91 5271.32,2951.45 cw(c5272.97,2951.45) 5271.8,2952.61 cw(c5274.68,2949.73) 5274.68,2953.81 J1.35@5297,2953.81
  other v1: 5222.42,2955.36
D14_P: J1.34 U9.11 | length 990.1
  Top Layer w8.65: U9.11@4539.29,3099.43 4539.29,3091.43 ccw(c4541.88,3091.43) 4540.05,3089.6 cw(c4538.21,3087.77) 4540.8,3087.77 4540.8,3029.66 ccw(c4654.9,3029.66) 4574.22,2948.98 ccw(c4619.94,2994.69) 4619.94,2930.04 4727.36,2930.04 4868.56,2930.04 4883.38,2944.86 4883.38,2956.29 4898.03,2956.29 4898.03,2906.79 4907.78,2897.04 4936.22,2897.04 4945.98,2906.79 4945.98,2924.98 4951.04,2930.04 4960.25,2930.04 5200.62,2930.04 cw(c5200.62,2917.37) 5209.58,2926.33 5210.36,2925.56 ccw(c5217.45,2932.65) v1@5217.45,2922.62
  Bottom Layer w8.65: v1@5217.45,2922.62 ccw(c5217.45,2932.65) 5224.54,2925.56 cw(c5235.37,2914.73) 5235.37,2930.04 5248.03,2930.04 5248.34,2929.73 5262.67,2929.73 cw(c5262.67,2921.08) 5268.78,2927.21 5271.32,2924.67 ccw(c5272.97,2924.67) 5271.8,2923.5 ccw(c5274.68,2926.39) 5274.68,2922.31 J1.34@5297,2922.31
  other v1: 5222.42,2923.86
D15_N: J1.33 U9.8 | length 985.4
  Top Layer w8.65: U9.8@4480.23,3099.43 4480.23,3091.43 cw(c4477.64,3091.43) 4479.47,3089.6 ccw(c4481.3,3087.77) 4478.71,3087.77 4478.71,3034.46 ccw(c4578.71,3034.46) 4508,2963.74 4559.07,2912.68 ccw(c4629.78,2983.39) 4620.82,2883.79 ccw(c4629.78,2983.39) 4627.56,2883.42 ccw(c4629.78,2983.39) 4627.78,2883.41 ccw(c4629.78,2983.39) 4628.19,2883.4 ccw(c4629.78,2983.39) 4629.78,2883.39 4634.38,2883.39 4651.71,2883.39 ccw(c4651.71,2892.04) 4660.36,2892.04 4660.36,2893.07 cw(c4668.69,2893.07) 4677.01,2893.07 4677.01,2892.04 ccw(c4685.66,2892.04) 4685.66,2883.39 4706.64,2883.39 5280.17,2883.39 ccw(c5280.17,2896.06) 5289.13,2887.1 5289.91,2887.88 cw(c5297,2880.79) v1(5297,2890.81)
D15_P: J1.32 U9.7 | length 990.1
  Top Layer w8.65: U9.7@4460.55,3099.43 4460.55,3091.43 ccw(c4463.14,3091.43) 4461.31,3089.6 cw(c4459.47,3087.77) 4462.06,3087.77 4462.06,3034.46 ccw(c4578.71,3034.46) 4496.23,2951.97 4547.29,2900.91 ccw(c4629.78,2983.39) 4629.78,2866.74 4866,2866.74 5280.17,2866.74 cw(c5280.17,2854.07) 5289.13,2863.03 5289.91,2862.26 ccw(c5297,2869.35) v1(5297,2859.32)
D_N: C20.2 U1.2 | length 76.1
  Top Layer w8.65: U1.2@4382.64,2610.19 4382.64,2600.08 cw(c4380.35,2600.08) 4381.97,2598.46 ccw(c4383.59,2596.84) 4381.3,2596.84 4381.3,2575.95 4381.06,2575.71 4381.06,2554.76 ccw(c4402.02,2554.76) 4387.2,2539.94 ccw(c4390.56,2543.3) C20.2@4390.56,2538.55
D_P: C15.2 U1.1 | length 76.1
  Top Layer w8.65: C15.2@4354.56,2538.55 ccw(c4354.56,2543.3) 4357.92,2539.94 ccw(c4343.1,2554.76) 4364.06,2554.76 4364.06,2582.75 4364.3,2582.99 4364.3,2596.84 ccw(c4362,2596.84) 4363.62,2598.46 cw(c4365.24,2600.08) 4362.95,2600.08 U1.1@4362.95,2610.19
DAC_CLKIN_N: C7.2 R6.1 U9.3 | length 116.2
  Top Layer w8.65: U9.3@4381.81,3099.43 4381.81,3035.51 ccw(c4405.51,3035.51) R6.1@4388.75,3018.75 cw(c4385.73,3015.73) 4390,3015.73 C7.2@4390,2985.46
DAC_CLKIN_P: C2.2 R6.2 U9.2 | length 116.1
  Top Layer w8.65: C2.2@4354,2985.46 4354,3015.66 cw(c4358.38,3015.66) R6.2@4355.28,3018.75 ccw(c4338.78,3035.26) 4362.12,3035.26 U9.2@4362.12,3099.43
DCLK_IN_N: C105.2 J1.47 R60.1 | length 95.8
  Bottom Layer w8.65: J1.47@5297,3331.76 5297.14,3331.62 5357.76,3331.62 R60.1@5357.9,3331.47 ccw(c5358.88,3332.45) 5358.88,3331.07 5391.46,3331.07 cw(c5391.46,3329.68) C105.2@5392.44,3330.66
DCLK_IN_P: C104.2 J1.48 R60.2 | length 96.2
  Bottom Layer w8.65: J1.48@5297,3363.26 cw(c5299.03,3361.22) 5299.03,3364.1 5355.87,3364.1 ccw(c5355.87,3366.97) R60.2@5357.9,3364.94 5358.26,3365.3 5392.08,3365.3 C104.2@5392.44,3365.66
DCLK_N: C105.1 U9.26 | length 1105.5
  Top Layer w8.65: U9.26@4665.27,3304.15 4673.26,3304.15 cw(c4673.26,3301.56) 4675.1,3303.39 ccw(c4676.93,3305.22) 4676.93,3302.63 4876.12,3302.63 ccw(c4876.12,3311.05) 4882.07,3305.1 cw(c4888.03,3299.15) 4888.03,3307.56 4906.41,3307.56 cw(c4906.41,3299.12) 4912.37,3305.09 ccw(c4918.34,3311.06) 4918.34,3302.62 4926.49,3302.62 cw(c4926.49,3296.24) v1(4931,3300.75)
  Layer 2 w6.65: v1(4931,3300.75) cw(c4923.94,3293.69) 4933.92,3293.69 ccw(c4953.32,3293.69) 4939.6,3279.98 ccw(c4976.91,3317.29) 4976.91,3264.52 5048.91,3264.52 cw(c5048.91,3147.87) 5131.39,3230.36 5226.71,3135.04 ccw(c5297.42,3205.75) 5297.42,3105.75 5394.16,3105.75 ccw(c5394.16,3134.17) 5414.25,3114.07 ccw(c5394.16,3134.17) 5422.58,3134.17 cw(c5490.56,3134.17) 5442.49,3182.24 5451,3190.75 ccw(c5390.64,3251.11) 5476,3251.11 5476,3291.67 ccw(c5427.83,3291.67) 5461.89,3325.73 5450.32,3337.3 ccw(c5444.2,3331.19) 5444.2,3339.84 ccw(c5444.2,3331.19) 5438.09,3337.31 5433.96,3333.19 cw(c5427.87,3339.28) v1(5427.87,3330.66)
DCLK_P: C104.1 U9.25 | length 1157.9
  Top Layer w8.65: U9.25@4665.27,3284.46 4673.26,3284.46 ccw(c4673.26,3287.06) 4675.1,3285.22 cw(c4676.93,3283.39) 4676.93,3285.98 4883.02,3285.98 ccw(c4883.02,3294.4) 4888.97,3288.45 cw(c4894.92,3282.5) 4894.92,3290.91 4899.42,3290.91 cw(c4899.42,3282.26) 4905.54,3288.38 cw(c4899.42,3282.26) 4908.07,3282.26 4908.07,3277.81 ccw(c4918.06,3277.81) v1(4911,3270.75)
  Layer 2 w6.65: v1(4911,3270.75) ccw(c4915.51,3275.26) 4915.51,3268.88 cw(c4915.51,3240.78) 4935.38,3260.65 ccw(c4966.23,3291.5) 4966.23,3247.87 5048.91,3247.87 cw(c5048.91,3147.87) 5119.62,3218.58 5214.93,3123.27 ccw(c5297.42,3205.75) 5297.42,3089.1 5394.16,3089.1 ccw(c5394.16,3134.17) 5426.03,3102.3 ccw(c5394.16,3134.17) 5439.23,3134.17 cw(c5490.56,3134.17) 5454.26,3170.47 5462.77,3178.98 ccw(c5390.64,3251.11) 5492.65,3251.11 5492.65,3291.67 ccw(c5427.83,3291.67) 5473.66,3337.5 5459.65,3351.52 ccw(c5447.65,3339.51) 5447.65,3356.49 5447.1,3356.49 cw(c5447.1,3372.15) v1@5436.03,3361.07 ; v1(5427.87,3365.66) cw(c5427.87,3357.05) 5433.96,3363.14 v1@5436.03,3361.08
DTR: JP4.2 Q1.4 R38.1 | length 774.4
  Bottom Layer w10: v1(4133.97,1403.55) 4180.76,1356.75 4630.97,1356.75 4709.97,1435.75 4709.97,1523.53 4701.59,1531.91 4701.59,1533.87 R38.1@4698.72,1536.75 4698.72,1562.53 4706.56,1570.36 v1(4706.56,1574.15)
FPGA_CLKIN_N: J1.39 R18.2 R20.2 | length 1171.5
  Bottom Layer w8.65: R18.2@4615.84,2759.85 cw(c4620.59,2759.85) 4617.23,2763.21 cw(c4632.48,2747.97) 4632.48,2769.53 5336.67,2769.53 ccw(c5336.67,2870.07) 5407.77,2798.98 5416.56,2807.76 ccw(c5353.57,2870.75) 5442.65,2870.75 5442.65,2923.2 ccw(c5326,2923.2) 5408.48,3005.69 5346.77,3067.4 ccw(c5334.77,3055.39) 5334.77,3072.37 5331.32,3072.37 cw(c5331.32,3081.02) 5325.21,3074.9 5322.67,3077.43 ccw(c5321.03,3077.43) 5322.19,3078.6 ccw(c5319.31,3075.72) 5319.31,3079.79 J1.39@5297,3079.79
FPGA_CLKIN_P: J1.38 R14.1 R17.2 | length 1171.5
  Bottom Layer w8.65: R17.2@4615.84,2795.85 ccw(c4620.59,2795.85) 4617.23,2792.49 ccw(c4632.48,2807.74) 4632.48,2786.18 5336.67,2786.18 ccw(c5336.67,2870.07) 5396,2810.75 5404.78,2819.54 ccw(c5353.57,2870.75) 5420.49,2843.05 ccw(c5353.57,2870.75) 5422.12,2847.38 5422.78,2851.35 ccw(c5411.11,2853.29) 5411.11,2865.11 5399.63,2865.11 cw(c5399.63,2876.94) 5399.63,2888.76 5414.17,2888.76 ccw(c5414.17,2900.59) 5426,2900.59 5426,2923.2 ccw(c5326,2923.2) 5396.71,2993.91 5337.44,3053.18 ccw(c5331.32,3047.07) 5331.32,3055.72 ccw(c5331.32,3047.07) 5325.21,3053.19 5322.67,3050.65 cw(c5321.03,3050.65) 5322.19,3049.49 cw(c5319.31,3052.37) 5319.31,3048.29 J1.38@5297,3048.29